# Altium PCB AD9102.PcbDoc
Units mil, origin at the board's own origin, x right, y up, seen from the top; angles counter-clockwise.
Board outline 1969.33 x 1575.43 mil, 2 copper layers (Top Layer, Bottom Layer); 52 components, 33 nets, 166 pads, 24 vias.
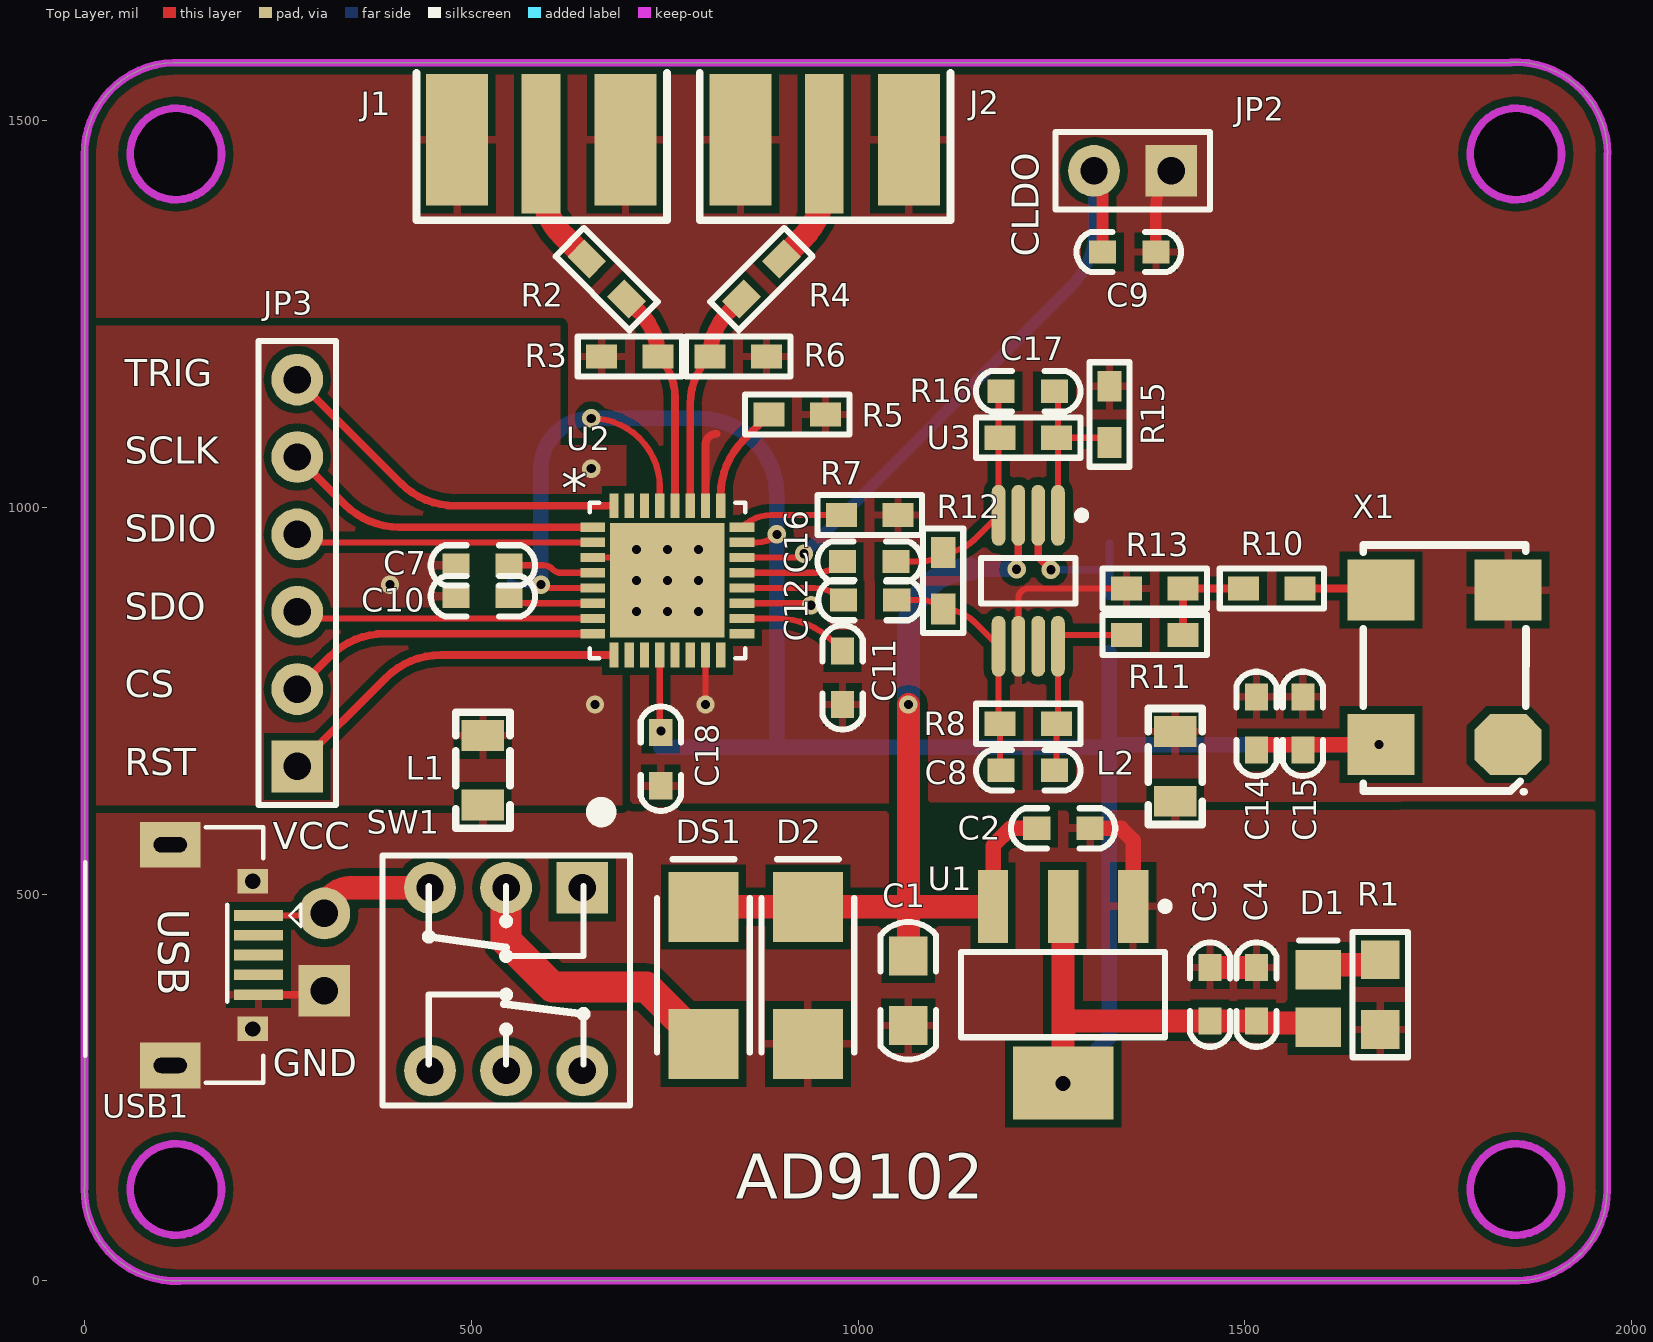
[diagram p0: Top Layer view]
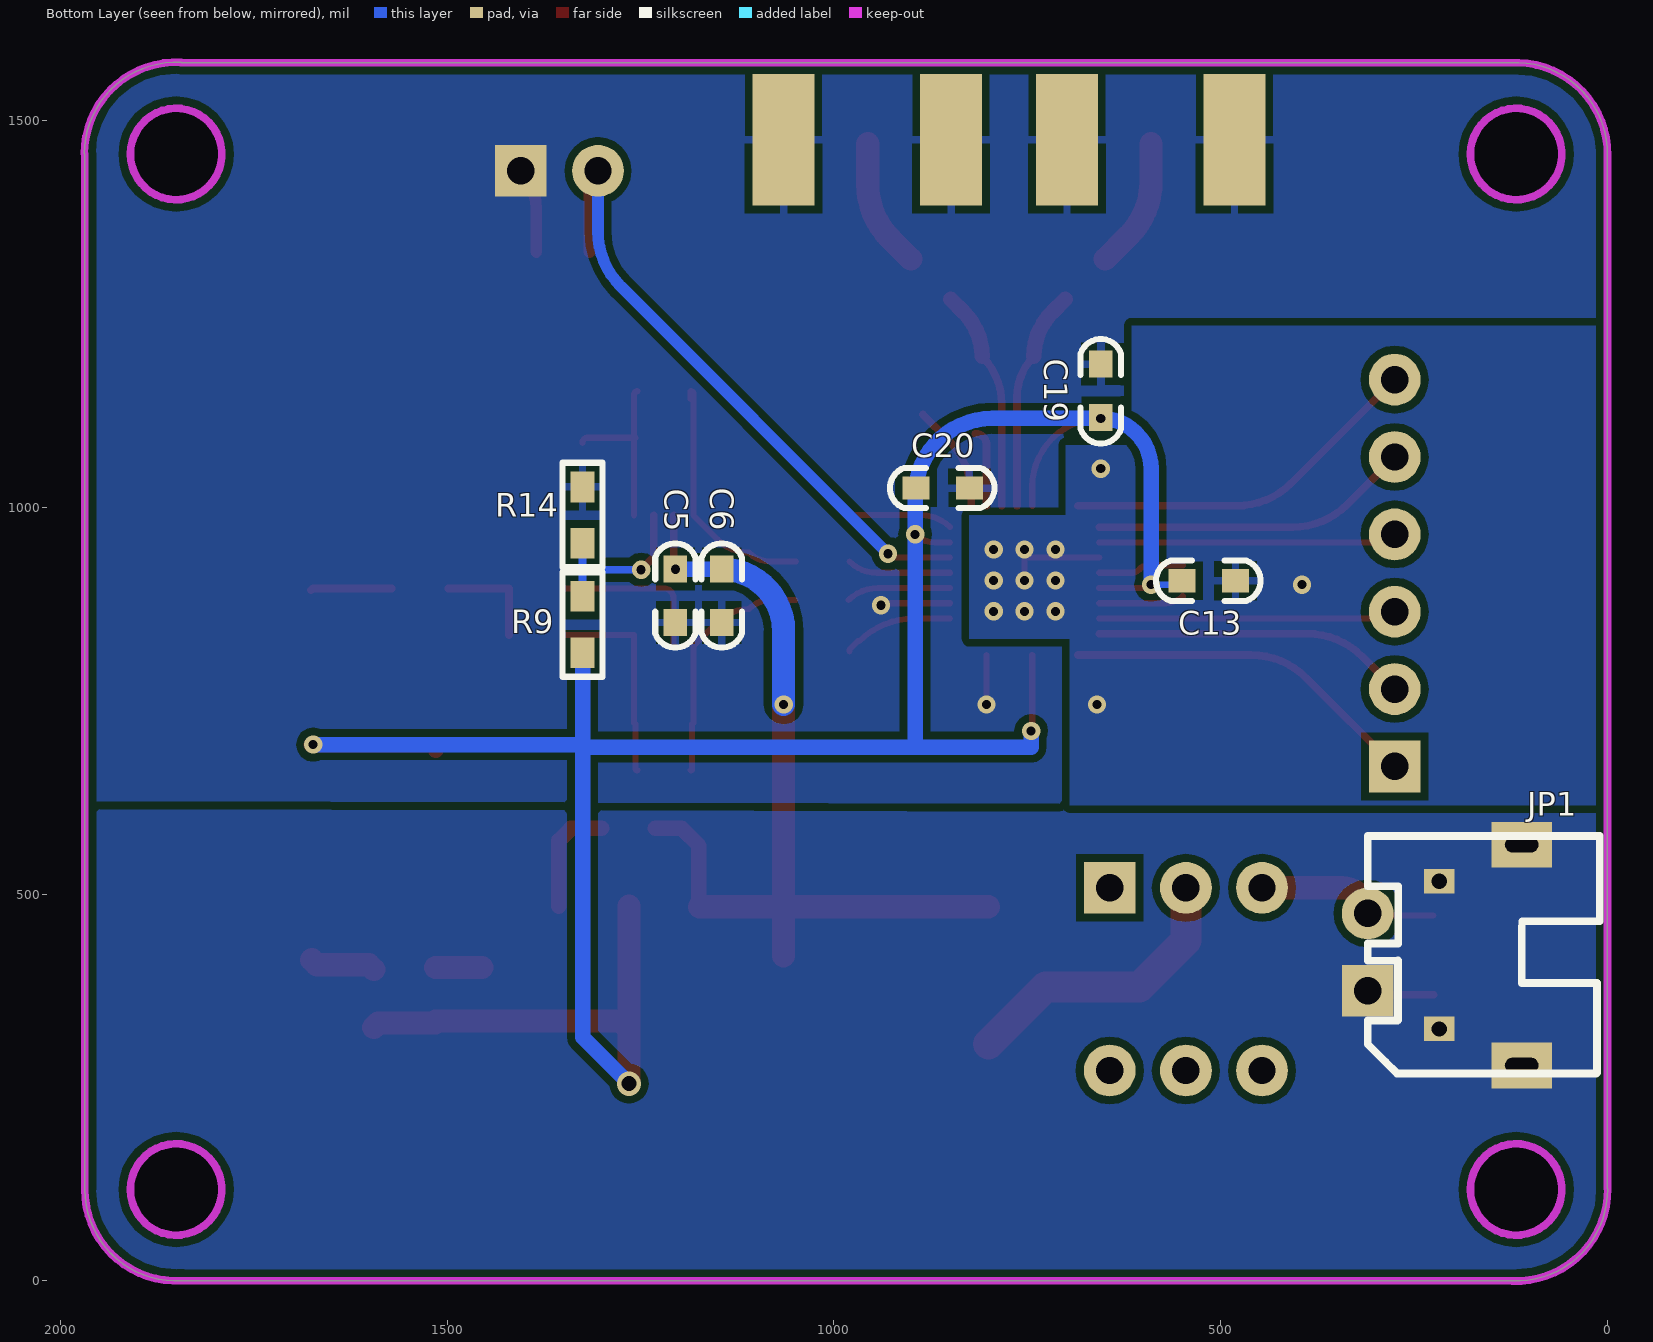
[diagram p1: Bottom Layer view, seen from below]

## Layer stack, top to bottom
Top Solder: solder mask 0.4, Solder Resist, Dk 3.5
Top Layer: signal copper 1.4
Dielectric 1: dielectric 12.6, FR-4, Dk 4.8
Bottom Layer: signal copper 1.4
Bottom Solder: solder mask 0.4, Solder Resist, Dk 3.5

## Board outline
0,119 0,1455 cw(c118.11,1456.69) 115.01,1574.77 115.01,1574.8 1843.99,1574.8 1843.99,1575.18 cw(c1850.39,1456.69) 1969.06,1457 1968.5,1457 1968.5,118 1968.51,118 cw(c1850.39,118.11) 1843.01,0.22 1843.01,0 123.01,0 123.01,-0.18 cw(c118.11,118.11)
cut-out: 118.11,1397.64 cw(c118.11,1456.69) 59.06,1456.69 cw(c118.11,1456.69) 118.11,1515.75 cw(c118.11,1456.69) 177.17,1456.69 cw(c118.11,1456.69)
cut-out: 1791.34,1456.69 ccw(c1850.39,1456.69) 1850.39,1397.64 ccw(c1850.39,1456.69) 1909.45,1456.69 ccw(c1850.39,1456.69) 1850.39,1515.75 ccw(c1850.39,1456.69)
cut-out: 1791.34,118.11 ccw(c1850.39,118.11) 1850.39,59.06 ccw(c1850.39,118.11) 1909.45,118.11 ccw(c1850.39,118.11) 1850.39,177.17 ccw(c1850.39,118.11)
cut-out: 118.11,59.06 cw(c118.11,118.11) 59.06,118.11 cw(c118.11,118.11) 118.11,177.17 cw(c118.11,118.11) 177.17,118.11 cw(c118.11,118.11)

## Design rules (kind name [scope] priority, off if disabled: settings)
Clearance [All] p1: gap=6 ignorepadtopadclearanceinfootprint=FALSE except(0: Arc-Hole Track-Hole SMDPad-Hole THPad-Hole Via-Hole Fill-Hole Poly-Hole Region-Hole Text-Hole; 10: Arc-Poly Track-Poly SMDPad-Poly THPad-Poly Via-Poly Fill-Poly Poly-Poly)
ComponentClearance [All] p1: gap=0 collisioncheckmode=3 verticalgap=0 showdistances=FALSE
HoleSize [All] p1: absolutevalues=TRUE maxlimit=118.11 minlimit=1 maxpercent=80.000 minpercent=20.000
HoleToHoleClearance [All] p1: gap=0 allowstackedmicrovias=TRUE
MinimumSolderMaskSliver [All] p1: minsoldermaskwidth=0
PolygonConnect [All] p1: thpad.connectstyle=Direct thpad.reliefconductorwidth=10 thpad.reliefentries=4 thpad.polygonreliefangle="90 Angle" thpad.airgapwidth=10 smdpad.connectstyle=Relief smdpad.reliefconductorwidth=10 smdpad.reliefentries=4 smdpad.polygonreliefangle="90 Angle" smdpad.airgapwidth=10 via.connectstyle=Direct via.reliefconductorwidth=10 via.reliefentries=4 via.polygonreliefangle="90 Angle" via.airgapwidth=10
RoutingVias [All] p1: holewidth=11.81 width=23.62 viastyle="Through Hole" minholewidth=11.81 minwidth=23.62 maxholewidth=28 maxwidth=50
SilkToSilkClearance [All] p1: silktosilkclearance=0
SilkToSolderMaskClearance [IsPad] p1: minsilkscreentomaskgap=0 clearancetoexposedcopper=TRUE
SolderMaskExpansion [All] p1: expansion=4
Width [All] p1: maxlimit=100 minlimit=1 preferedwidth=10
24 further rules are at their usual default settings.

## Components (designator, comment, footprint, x,y, rotation, side; value= is the part's Value field where it differs from the comment)
C1 "10uF" "C 0805" 1065,375 r90 top
C2 "104" "C 0603" 1265,585 r180 top
C3 "104" "C 0603" 1455,370 r270 top
C4 "103" "C 0603" 1515,370 r270 top
C5 "104" "C 0603" 1205,886 r90 bottom
C6 "10uF" "C 0603" 1145,886 r90 bottom
C7 "104" "C 0603" 515,925 r0 top
C8 "8.2pF" "C 0603" 1220,660 r0 top
C9 "104" "C 0603" 1350,1330 r180 top
C10 "104" "C 0603" 515,885 r0 top
C11 "104" "C 0603" 980,780 r90 top
C12 "104" "C 0603" 1016,880 r0 top
C13 "104" "C 0603" 516,905 r0 bottom
C14 "104" "C 0603" 1515,720 r270 top
C15 "1uF" "C 0603" 1575,720 r270 top
C16 "104" "C 0603" 1015,930 r0 top
C17 "8.2pF" "C 0603" 1220,1150 r0 top
C18 "104" "C 0603" 745,675 r90 top
C19 "104" "C 0603" 655,1150 r270 bottom
C20 "104" "C 0603" 860,1025 r0 bottom
D1 "LED" LED_0805 1595,365 r90 top
D2 "TVS" DIODE-SMA 935,395 r90 top
DS1 "D Schottky" DIODE-SMA 800,395 r90 top
J1 "COAX" MCX5.08-5-H 590,1470 r270 top
J2 "COAX" MCX5.08-5-H 956.34,1470 r270 top
JP1 "HDR-1X2" XH2.54-2P_H 310,375 r90 bottom
JP2 "HDR-1X2" HDR-1X2 1405,1435 r180 top
JP3 "HDR-1X6" HDR-1X6 275,665 r90 top
L1 "10um" "L 0805" 515,660 r270 top
L2 "10um" "L 0805" 1410,665 r270 top
R1 "1K" "R 0805" 1675,370 r270 top
R2 "50" "R 0603" 675,1295 r315 top
R3 "50" "R 0603" 705,1195 r0 top
R4 "50" "R 0603" 875,1295 r225 top
R5 "8.06K" "R 0603" 921.5,1120 r0 top
R6 "50" "R 0603" 845,1195 r180 top
R7 "8.06K" "R 0603" 1015,990 r0 top
R8 "499" "R 0603" 1220,720 r0 top
R9 "10K" "R 0603" 1325,848.5 r90 bottom
R10 "50" "R 0603" 1535,895 r0 top
R11 "487" "R 0603" 1383.5,835 r0 top
R12 "100" "R 0603" 1110,905 r90 top
R13 "53.6" "R 0603" 1383.5,895 r180 top
R14 "10K" "R 0603" 1325,990 r90 bottom
R15 "523" "R 0603" 1325,1120 r90 top
R16 "499" "R 0603" 1220,1090 r0 top
SW1 "KET 8X8" "KFT DIP-8X8" 545,390 r270 top
U1 "AMS1117" SOT223_N 1265,370 r270 top
U2 "AD9102" CP_32_12 753.5,905.47 r0 top
U3 "THS4505" MSOP-MS8_M 1220,905 r270 top
USB1 "USB-5P" USB-MICRO_B 110.83,421.18 r270 top
X1 "XTAL" X-CPX75 1765,785 r90 top

## Footprints (in the part's own frame and the unit in brackets; to place one, negate y for a bottom-side part, rotate by r counter-clockwise, add the part's x,y. Pads: shape width x height; smd on the part's side, far side on the other; paste and mask are expansions set on the pad)
"C 0603" [mil] "无极性贴片电容"
  rect 35x30 smd: 1(-35,0) 2(34,0)
  silkscreen extent -67,-26 67,26, body extent -31,-16 31,16, height 32
"C 0805" [mil] "无极性贴片电容"
  rect 50x50 smd: 1(-45,0) 2(45,0)
  silkscreen extent -89,-36 89,36, body extent -39,-24 39,24, height 20
CP_32_12 [mil] "LFCSP_WQ"
  rect 32x12 smd mask+5: 1(-96.5,68.9) 2(-96.5,49.21) 3(-96.5,29.53) 4(-96.5,9.84) 5(-96.5,-9.84) 6(-96.5,-29.53) 7(-96.5,-49.21) 8(-96.5,-68.9) 17(96.5,-68.9) 18(96.5,-49.21) 19(96.5,-29.53) 20(96.5,-9.84) 21(96.5,9.84) 22(96.5,29.53) 23(96.5,49.21) 24(96.5,68.9)
  rect 12x32 smd mask+5: 9(-68.9,-96.5) 10(-49.21,-96.5) 11(-29.53,-96.5) 12(-9.84,-96.5) 13(9.84,-96.5) 14(29.53,-96.5) 15(49.21,-96.5) 16(68.9,-96.5) 25(68.9,96.5) 26(49.21,96.5) 27(29.53,96.5) 28(9.84,96.5) 29(-9.84,96.5) 30(-29.53,96.5) 31(-49.21,96.5) 32(-68.9,96.5)
  rect 148x148 smd mask-73.5: 33(0,0)
  silkscreen extent -100,-100 100,100, body extent -102,-102 102,102, height 31
DIODE-SMA [mm] "贴片二极管"
  rect 2.3x2.3 smd: 1(-2.25,0) 2(2.25,0)
  silkscreen extent -2.54,-1.52 3.81,1.52, body extent -2.92,-1.4 2.92,1.4, height 3
HDR-1X2 [mm] "排针，2脚"
  rect 1.7x1.7 hole 0.9: 1(0,0)
  round 1.7 hole 0.9: 2(2.54,0)
  silkscreen extent -1.27,-1.27 3.81,1.27, body extent -1.27,-1.27 3.81,1.27, height 8.5
HDR-1X6 [mm] "排针，6脚"
  rect 1.7x1.7 hole 0.9: 1(0,0)
  round 1.7 hole 0.9: 2(2.54,0) 3(5.08,0) 4(7.62,0) 5(10.16,0) 6(12.7,0)
  silkscreen extent -1.27,-1.27 13.97,1.27, body extent -1.27,-1.27 13.97,1.27, height 8.5
"KFT DIP-8X8" [mm] "自锁开关，规格：8*8mm"
  rect 1.7x1.7 hole 0.9: 1(-3,2.5)
  round 1.7 hole 0.9: 2(-3,0) 3(-3,-2.5) 4(3,2.5) 5(3,0) 6(3,-2.5)
  silkscreen extent -5.69,-4.06 4.15,4.06, body extent -3.95,-4.05 4.05,3.95, height 13.1
"L 0805" [mil] "小功率贴片电感"
  rect 40x55 smd: 1(-45,0) 2(45,0)
  silkscreen extent -75,-35 75,35, body extent -39,-24 39,24, height 35
LED_0805 [mm] "贴片二极管"
  rect 1.3x1.5 smd: 1(-0.95,0) 2(0.95,0)
  silkscreen extent 1.91,-0.63 1.91,0.64
MCX5.08-5-H [mil]
  rect 180x50 smd: 1(0,0)
  rect 170x80 smd: 2(-5,109.25) 5(-5,-108.27)
  rect 170x80 smd far side: 3(-5,108.66) 4(-5,-107.87)
  silkscreen extent -92,-161 99,163, body extent -93,-132 80,134, height 39
MSOP-MS8_M [mm] "TSOP, 8-Leads, Body 3x3mm, Pitch 0.65mm, IPC Low Density"
  oval 2x0.45 smd: 1(-2.15,0.975) 2(-2.15,0.325) 3(-2.15,-0.325) 4(-2.15,-0.975) 5(2.15,-0.975) 6(2.15,-0.325) 7(2.15,0.325) 8(2.15,0.975)
  silkscreen extent -2.27,-1.55 0.75,1.88, body extent -1.6,-1.6 1.6,1.6, height 1.1
"R 0603" [mil] "1/10W贴片电阻"
  rect 40x31.5 smd: 1(-36.5,0) 2(36.5,0)
  silkscreen extent -67,-26 67,26, body extent -31,-16 32,16, height 16
"R 0805" [mil] "1/8W贴片电阻"
  rect 50x50 smd: 1(-45,0) 2(45,0)
  silkscreen extent -81,-36 81,36, body extent -39,-25 39,25, height 20
SOT223_N [mm] "SOT223, 4-Leads, Body 6.5x3.5mm, Pitch 2.3mm, Lead Span 7mm, IPC Medium Density"
  rect 2.4x1 smd: 1(-2.9,2.3) 2(-2.9,0) 3(-2.9,-2.3)
  rect 2.4x3.3 smd: 2(2.9,0)
  silkscreen extent -3.02,-3.35 1.4,3.48, body extent -1.85,-3.35 1.85,3.35, height 1.7
USB-MICRO_B [mm] "micro型USB ，5.7*7.8*2.5mm"
  rect 0.35x1.6 smd: 1(-1.3,2.9) 2(-0.65,2.9) 3(0,2.9) 4(0.65,2.9) 5(1.3,2.9)
  rect 1.5x2 hole 0.5 slot 1.1 at 90 deg: 5(-3.625,0) 5(3.625,0)
  rect 0.8x1 hole 0.5: 5(-2.425,2.71) 5(2.425,2.71)
  silkscreen extent -4.19,-2.79 4.19,4.3, body extent -4,-2.71 4,2.89, height 2.8
X-CPX75 [mm]
  oct 2x2.2 smd: 1(-2.331,-1.915)
  rect 2x2.2 smd: 2(2.741,-1.915) 3(2.741,2.261) 4(-2.331,2.261)
  silkscreen extent -3.88,-2.5 4.23,2.84, body extent -3.86,-2.49 4.24,2.84, height 1.75
XH2.54-2P_H [mm] "接插件，2P"
  rect 1.7x1.7 hole 0.9: 1(0,0)
  round 1.7 hole 0.9: 2(2.54,0)
  silkscreen extent -2.72,-7.62 5.08,0, body extent -2.5,-7.35 5.04,0.35, height 5.73

## Part data
C1 C2 C3 C4 C5 C6 C7 C8 C9 C10 C11 C12 C13 C14 C15 C16 C17 C18 C19 C20: library part C, "无极性贴片电容"
D1: "发光二极管", LatestRevisionDate=08-Jul-2005, LatestRevisionNote="Mech Layer 1 removed.", PackageReference=LED, Published=8-Jun-2000, Publisher="Altium Limited"
D2: "TVS保护", PackageDocument=Sep-1996, Code_JEDEC=DO-214-AB, LatestRevisionDate=17-Jul-2002, LatestRevisionNote="Re-released for DXP Platform.", PackageReference=SMC, Published=8-Jun-2000, Publisher="Altium Limited", Type=SMJB3.3A
DS1: "Schottky Diode", Code_JEDEC=DO-214-AA, LatestRevisionDate=17-Jul-2002, LatestRevisionNote="Re-released for DXP Platform.", PackageDescription="DO-214-AA/SMB; 2 C-Bend Leads; Body 5.3 x 3.6 mm, inc. leads (LxW)", PackageReference=SMB, Published=8-Jun-2000, Publisher="Altium Limited"
JP1 JP2: library part "Header 2", "2P接插件", BOM名称=2P接插件, 学习资源=www.ooocke.com, 版权归属=源创客
JP3: library part "Header 6", "6P接插件", BOM名称=6P接插件, 学习资源=www.ooocke.com, 版权归属=源创客
L1 L2: library part L, "小功率贴片电感"
R1 R2 R3 R4 R5 R6 R7 R8 R9 R10 R11 R12 R13 R14 R15 R16: library part R, "贴片电阻"
SW1: "8*8自锁开关"
U1: library part ASM1117, "线性稳压芯片"
U2: "低功耗、14位、180MSPS数模转换器和波形发生器"
U3: "WIDEBAND, LOW-DISTORTION,FULLY DIFFERENTIAL AMPLIFIERS"
USB1: "微型USB母座", BOM名称=微型USB母座, 学习资源=www.ooocke.com, 版权归属=源创客
X1: library part XTAL_Oscillator, "有源晶振", Frequency=180M

## Via types
v1: diameter 23.62, hole 11.81, Top Layer to Bottom Layer, tented both sides, 23 vias
v2: diameter 31.5, hole 19.68, Top Layer to Bottom Layer, tented both sides, 1 vias

## Nets (pads, with @x,y where several pads share a name; then routed paths per layer and width w, separated by ;. In a path a pad name is that pad's centre, name@x,y a point inside that pad or via, vN(x,y) a via of type N, cw(c..) or ccw(c..) an arc to the next point about the centre after c; other vN are vias at no path point)
3.3V: C3.2 C4.2 C13.2 C14.2 C15.2 C18.2 C19.2 C20.2 D1.1 R9.1 U1.2 U2.5 U2.12 U2.23 U2.29 X1.4 | length 3563.8
  Top Layer w8: v1(590,900) 595,895 cw(c596.52,893.48) 596.52,895.63 U2.5 ; v1(655,1115) cw(c655,1026.34) 743.66,1026.34 U2.29 ; U2.12 743.66,712.24 ccw(c748.24,712.24) C18.2 v1(745,710.9) ; U2.23 870.1,954.68 ccw(c870.1,989.9) v1(895,965)
  Top Layer w20: C14.2 1515,688.22 1520,693.22 v1(1673.22,693.22) X1.4
  Top Layer w30: U1.2@1265,255.83 1265,325 ; U1.2@1265,484.17 1265,325 ; D1.1 1589.1,333.5 1515,333.5 C4.2 C3.2 1276,336 1265,325
  Bottom Layer w8: C13.2 ccw(c562.07,917.07) 562.07,900 v1(590,900)
  Bottom Layer w20: v1(590,900) 590,1050 cw(c655,1050) v1(655,1115) 795,1115 cw(c795,1015) 895,1015 v1(895,965) 895,690 ; v1(745,710.9) 745,690 895,690 ; v2(1265,255) 1325,315 1325,690 ; R9.1 1325,690 ; v1(1673.22,693.22) 1328.22,693.22 1325,690 ; 895,690 1325,690
AGND: C5.1 C6.1 C9.1 C11.1 C14.1 C15.1 C18.1 C19.1 C20.1 J1.2 J1.3 J1.4 J1.5 J2.2 J2.3 J2.4 J2.5 JP2.1 L2.1 R3.1 R5.2 R6.1 R7.2 R13.2 R14.2 R15.2 U2.15 U2.19 U2.26 U3.6 X1.2 | length 574.5
  Top Layer w8: v1(802.71,745) U2.15 ; U2.19 927.72,875.94 cw(c927.72,872.72) 930,875 931.61,873.39 v1(939.11,873.39) ; U3.6 1207.2,882.2 cw(c1220,882.2) 1220,895 R13.2
  Top Layer w10: U2.26 802.71,1080.71 cw(c817,1080.71) 817,1095
  Top Layer w15: C9.1 1385,1386.72 cw(c1453.28,1386.72) JP2.1
C\S\: JP3.2 U2.8 | length 407.3
  Top Layer w10: JP3.2 317.29,807.29 cw(c388,736.57) 388,836.57 U2.8
CLKN: C12.1 U2.20 | length 135.2
  Top Layer w8: U2.20 943.27,895.63 cw(c943.27,842.27) C12.1
CLKP: C16.1 U2.21 | length 133.9
  Top Layer w8: U2.21 944.55,915.31 ccw(c944.55,965.45) C16.1
DGND: C7.1 C10.1 C13.1 L1.1 U2.3 U2.33 | length 126
  Top Layer w8: U2.3 753.5,935 v1(753.5,905.47)
  other v1: 660,745 713.5,865.47 753.5,865.47 793.5,865.47 395,900 713.5,905.47 793.5,905.47 713.5,945.47 753.5,945.47 793.5,945.47 655,1050
GND: C1.1 C2.1 C3.1 C4.1 D2.1 JP1.1 L1.2 L2.2 R1.2 U1.1 USB1.5 | length 295.1
  Top Layer w10: USB1.5@225,370 305,370 ccw(c305,375) JP1.1
  Top Layer w20: C2.1 1340,585 1355.55,569.45 U1.1
  Top Layer w30: C3.1 C4.1
IOUTN: R2.2 R3.2 U2.28 | length 286.4
  Top Layer w10: R3.2 cw(c688.77,1142.27) 763.34,1142.27 U2.28
  Top Layer w20: R2.2 717.81,1252.19 cw(c660.62,1195) R3.2
IOUTP: R4.2 R6.2 U2.27 | length 287.4
  Top Layer w10: U2.27 783.03,1133.5 cw(c870,1133.5) R6.2
  Top Layer w20: R6.2 cw(c889.38,1195) 832.19,1252.19 R4.2
NetC7_2: C7.2 U2.4 | length 110.6
  Top Layer w8: C7.2 592.93,925 cw(c592.93,907.93) 605,920 ccw(c616.31,931.31) 616.31,915.31 U2.4
NetC8_1: C8.1 C12.2 R8.1 R12.1 U3.5 | length 314.5
  Top Layer w8: C12.2 1082.24,880 cw(c1082.24,840.74) R12.1 cw(c1110,811.84) 1150.06,851.91 U3.5 1181.61,721.89 ccw(c1183.5,721.89) R8.1 1183.5,661.5 ccw(c1185,661.5) C8.1
NetC8_2: C8.2 R8.2 R11.1 U3.8 | length 266.1
  Top Layer w8: C8.2 ccw(c1254,662.5) 1256.5,662.5 R8.2 ccw(c1256.5,721.89) 1258.39,721.89 U3.8 1258.39,835 R11.1
NetC9_2: C9.2 JP2.2 U2.22 | length 835.3
  Top Layer w8: U2.22 917.93,935 ccw(c917.93,952.07) v1(930,940)
  Top Layer w15: JP2.2 cw(c1278.44,1408.44) 1316,1408.44 C9.2
  Bottom Layer w15: v1(930,940) 1275.71,1285.71 ccw(c1205,1356.42) 1305,1356.42 JP2.2
NetC10_2: C10.2 U2.6 | length 110.4
  Top Layer w8: C10.2 ccw(c570.86,906.86) 570.86,875.94 U2.6
NetC11_2: C11.2 U2.18 | length 144.4
  Top Layer w8: U2.18 896.32,856.26 cw(c896.32,756.26) 967.03,826.97 969,826.97 980,815.97 C11.2
NetC16_2: C16.2 C17.1 R12.2 R16.1 U3.4 | length 325.5
  Top Layer w8: C16.2 1082.24,930 ccw(c1082.24,969.26) R12.2 ccw(c1110,998.16) 1150.06,958.09 U3.4 1181.61,1090 1181.61,1140 1181.61,1146.61 cw(c1185,1146.61) C17.1 1185,1146.61 C17.1@1185,1140
NetC17_2: C17.2 R15.1 R16.2 U3.1 | length 235.1
  Top Layer w8: C17.2 cw(c1254,1145.61) 1258.39,1145.61 R16.2@1258.39,1090 ; R16.2 R16.2@1258.39,1090 ; U3.1 R16.2@1258.39,1090 ; R15.1 ccw(c1318.5,1083.5) 1318.5,1090 R16.2@1258.39,1090
NetD1_2: D1.2 R1.1 | length 85.2
  Top Layer w30: D1.2 1601.3,408.7 1668.7,408.7 R1.1
NetJ1_1: J1.1 R2.1 | length 169.4
  Top Layer w30: J1.1 590,1421.42 ccw(c690,1421.42) 619.29,1350.71 R2.1
NetJ2_1: J2.1 R4.1 | length 167.9
  Top Layer w30: R4.1 927.05,1347.05 ccw(c856.34,1417.76) 956.34,1417.76 J2.1
NetJP1_2: JP1.2 SW1.3 USB1.1 | length 242
  Top Layer w8: USB1.1 307.36,472.36 ccw(c307.36,475) JP1.2
  Top Layer w30: JP1.2 cw(c343.11,475) 343.11,508.11 SW1.3
NetR5_1: R5.1 U2.25 | length 139.7
  Top Layer w10: U2.25 822.4,1015.98 cw(c922.4,1015.98) 851.69,1086.69 R5.1
NetR7_1: R7.1 U2.24 | length 132.7
  Top Layer w8: U2.24 cw(c887.73,936.64) 887.73,990 R7.1
NetR9_2: R9.2 R14.1 U3.2 | length 225
  Top Layer w10: U3.2 1232.8,935.7 v1(1249.25,919.25)
  Bottom Layer w10: v1@1245.75,919.25 v1(1249.25,919.25) 1325,919.25 ; R9.2 1325,919.25 ; R14.1 1325,919.25
NetR10_1: R10.1 R11.2 R13.1 | length 138.5
  Top Layer w10: R11.2 R13.1 R10.1
NetR10_2: R10.2 X1.3 | length 105.4
  Top Layer w10: R10.2 1673.91,895 X1.3
RST: JP3.1 U2.9 | length 464.9
  Top Layer w10: JP3.1 389.68,779.68 cw(c460.39,708.97) 460.39,808.97 U2.9
SCLK: JP3.5 U2.1 | length 415.2
  Top Layer w10: JP3.5 336.34,1003.66 ccw(c407.05,1074.37) 407.05,974.37 U2.1
SDIO: JP3.4 U2.2 | length 384.8
  Top Layer w8: JP3.4 ccw(c299.9,989.9) 299.9,954.68 U2.2
SDO: JP3.3 U2.7 | length 384.3
  Top Layer w8: JP3.3@296.1,856.26 U2.7
  Top Layer w10: JP3.3 ccw(c296.1,886.1) JP3.3@296.1,856.26
TRIGGER: JP3.6 U2.32 | length 472.8
  Top Layer w10: JP3.6 408.74,1031.26 ccw(c479.45,1101.97) 479.45,1001.97 U2.32
VCC: C1.2 C2.2 C5.2 C6.2 D2.2 DS1.2 U1.3 U3.3 | length 1195.6
  Top Layer w10: v1(1205,920) ccw(c1205,922.2) 1207.2,922.2 U3.3
  Top Layer w20: U1.3@1173.86,483.58 U1.3 1174.45,562.73 1196.72,585 C2.2
  Top Layer w30: DS1.2 D2.2 1065,483.58 ; C1.2 1065,483.58 ; v1(1065,745) 1065,483.58 ; U1.3@1173.86,483.58 1065,483.58
  Bottom Layer w20: C6.2 v1(1205,920)
  Bottom Layer w30: v1(1065,745) 1065,840 cw(c1145,840) C6.2
VIN: DS1.1 SW1.2 | length 378.4
  Top Layer w40: SW1.2 545,440 605,380 726.42,380 DS1.1
pads on no net: SW1.1 SW1.4 SW1.5 SW1.6 U2.10 U2.11 U2.13 U2.14 U2.16 U2.17 U2.30 U2.31 U3.7 USB1.2 USB1.3 USB1.4 X1.1

## Polygon pours and split planes (outlines as drawn)
GND on Top Layer "Top Layer-No Net" (solid, remove dead copper, pour order 25): 0,0 1968.5,0 1968.5,1574.8 0,1574.8
AGND on Top Layer "Top Layer-AGND" (solid, remove dead copper, pour order 22): 0,615 0,1574.8 1968.5,1574.8 1970,620
DGND on Top Layer "Top Layer-DGND" (solid, remove dead copper, pour order 16): 0,1235 615,1235 615,1080 700,1080 700,990 825,990 825,830 695,830 695,615 0,615
GND on Bottom Layer "Top Layer-No Net1" (solid, remove dead copper, pour order 26): 0,0 1968.5,0 1968.5,1574.8 0,1574.8
AGND on Bottom Layer "Top Layer-AGND1" (solid, remove dead copper, pour order 24): 0,615 0,1574.8 1968.5,1574.8 1970,620
DGND on Bottom Layer "Bottom Layer-DGND" (solid, remove dead copper, pour order 18): 0,1235 615,1235 615,1080 700,1080 700,990 825,990 825,830 695,830 695,615 0,615

## Keep-outs
Keep-Out Layer:
  circle w10: c118.11,118.11 r59.06
  circle w10: c1850.39,118.11 r59.06
  circle w10: c1850.39,1456.69 r59.06
  circle w10: c118.11,1456.69 r59.06
  lines w10: -0.27,119 ccw(c118.11,118.11) 123.01,-0.18 ; 0,119 0,1455 cw(c118.11,1456.69) 115.01,1574.77 ; 115.01,1574.8 1843.99,1574.8 ; 123.01,0 1843.01,0 ; 1843.01,0.22 ccw(c1850.39,118.11) 1968.51,118 1968.5,1457 ; 1843.99,1575.18 cw(c1850.39,1456.69) 1969.06,1457

## Silkscreen, mask and mechanical layers (free items; w line width, h text height)
Top Overlay:
  text "CLDO" at 1245,1324 h60 r90
  text "TRIG" at 52,1145 h60
  text "SCLK" at 52,1044.4 h60
  text "SDIO" at 52,943.8 h60
  text "SDO" at 52,843.2 h60
  text "CS" at 52,742.6 h60
  text "RST" at 52,642 h60
  text "VCC" at 243,546 h60
  text "GND" at 243,253 h60
  text "AD9102" at 842,87 h100
Top Solder:
  rectangle: 680,832 827,979

## Text inside footprints (layer, text, board x,y; h text height)
U2: Top Overlay "*" at 616,999.21 h50; Mechanical 13 "*" at 616,999.21 h50
USB1: Top Overlay "USB" at 95,481.18 h40 r270